# KiCad board pi_attenuator_panel.kicad_pcb (continued)
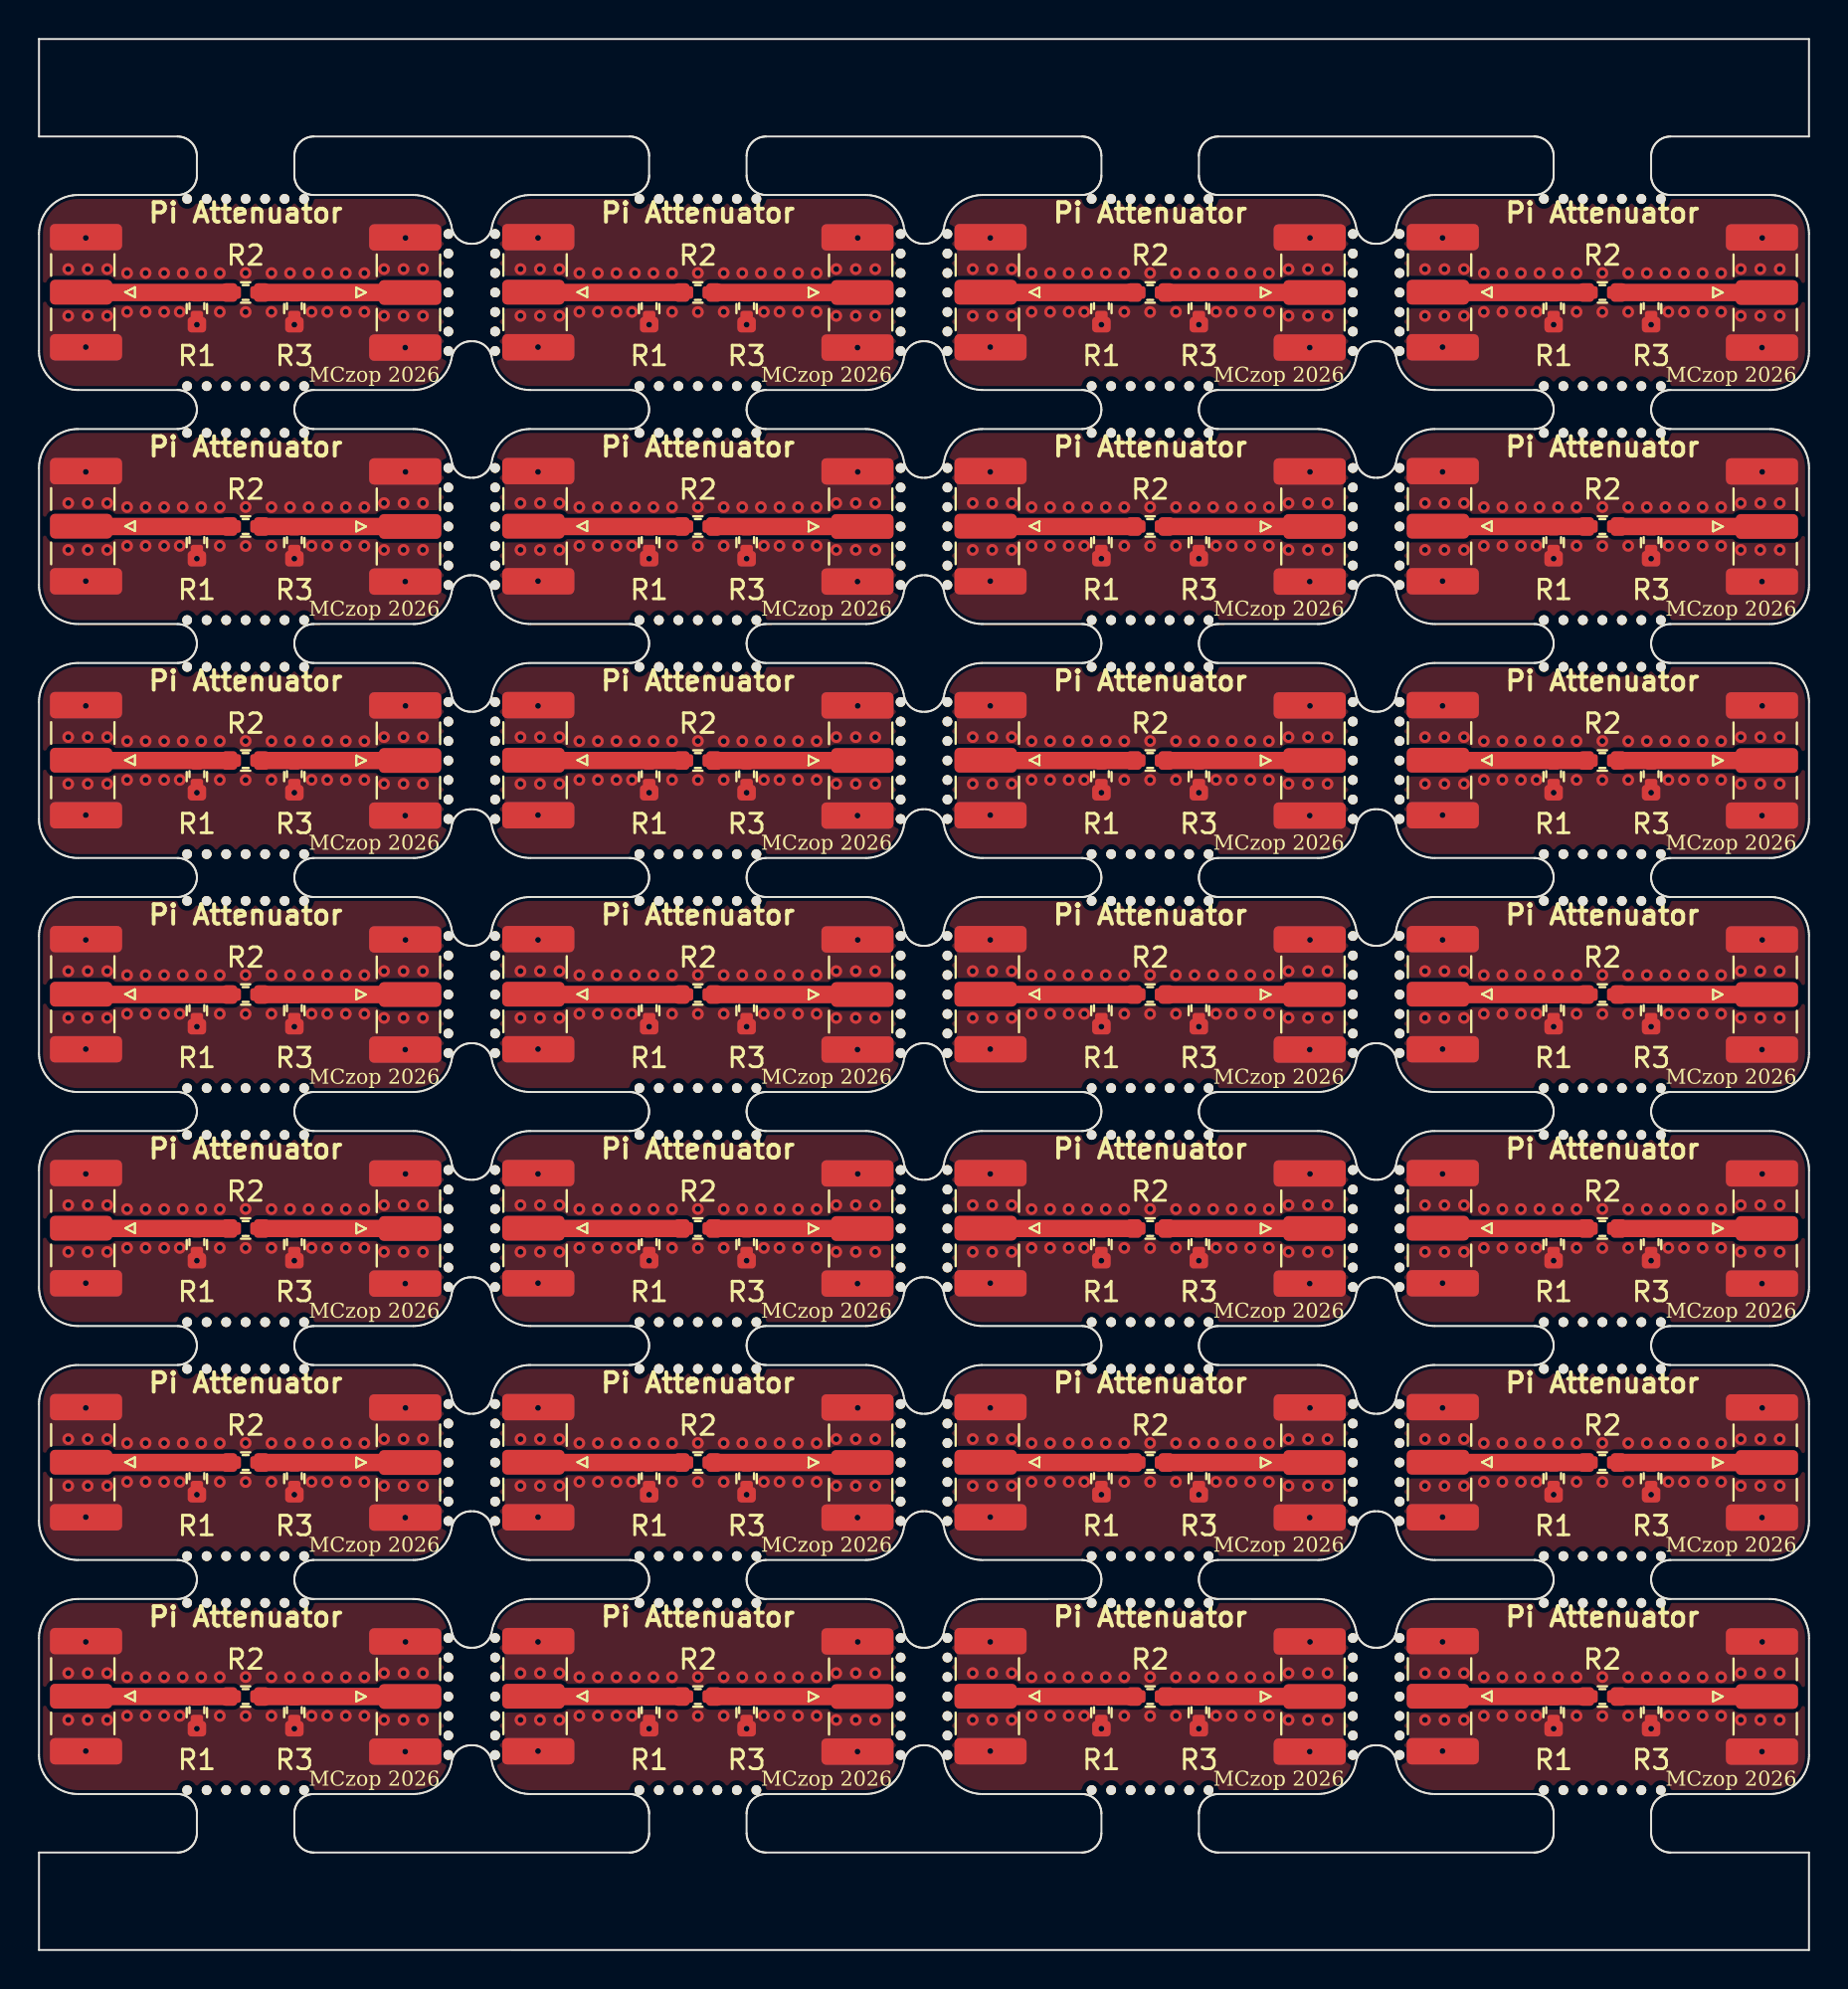
[diagram p0: board, top side]
## Routing (per net, layer and track width the routed paths; a pad name or vN(x,y) marks a point on that pad's centre or on a via; arc(x,y) is an arc through that point) (continued)
Board_3-Net-(J1-In): length 7.7
  Top w0.888: R2#7.2 71.72,85 71.7,85.02
Board_3-Net-(J2-In): length 7.7
  Top w0.888: R2#7.1 88.7,85
Board_4-GND:
  vias: v1(1.5,74.2) v1(1.5,71.8) v1(2.4,75.8) v1(2.4,70.2) v1(2.5,74.2) v1(2.5,71.8) v1(3.5,74.2) v1(3.5,71.8) v1(4.52,73.99) v1(4.52,72.01) v1(5.47,73.99) v1(5.47,72.01) v1(6.42,73.99) v1(6.42,72.01) v1(7.22,72.01) v1(7.37,73.99) v1(8.1,71.35) v1(8.32,73.99) v1(9.28,73.99) v1(9.28,72.01) v1(10.6,74) v1(10.6,72) v1(11.93,73.99) v1(11.93,72.01) v1(12.88,73.99) v1(13.1,71.35) v1(13.83,73.99) v1(13.98,72.01) v1(14.79,73.99) v1(14.79,72.01) v1(15.74,73.99) v1(15.74,72.01) v1(16.69,73.99) v1(16.69,72.01) v1(17.7,74.2) v1(17.7,71.8) v1(18.7,74.2) v1(18.7,71.8) v1(18.8,75.8) v1(18.79,70.17) v1(19.7,74.2) v1(19.7,71.8)
Board_4-Net-(J1-In): length 7.7
  Top w0.888: 2.1,73.02 2.12,73 R2#21.2
Board_4-Net-(J2-In): length 7.7
  Top w0.888: R2#21.1 19.1,73
Board_5-GND:
  vias: v1(24.7,74.2) v1(24.7,71.8) v1(25.6,75.8) v1(25.6,70.2) v1(25.7,74.2) v1(25.7,71.8) v1(26.7,74.2) v1(26.7,71.8) v1(27.72,73.99) v1(27.72,72.01) v1(28.67,73.99) v1(28.67,72.01) v1(29.62,73.99) v1(29.62,72.01) v1(30.42,72.01) v1(30.57,73.99) v1(31.3,71.35) v1(31.52,73.99) v1(32.47,73.99) v1(32.47,72.01) v1(33.8,74) v1(33.8,72) v1(35.12,73.99) v1(35.12,72.01) v1(36.08,73.99) v1(36.3,71.35) v1(37.03,73.99) v1(37.18,72.01) v1(37.99,73.99) v1(37.99,72.01) v1(38.94,73.99) v1(38.94,72.01) v1(39.89,73.99) v1(39.89,72.01) v1(40.9,74.2) v1(40.9,71.8) v1(41.9,74.2) v1(41.9,71.8) v1(42,75.8) v1(41.99,70.17) v1(42.9,74.2) v1(42.9,71.8)
Board_5-Net-(J1-In): length 7.7
  Top w0.888: R2#12.2 25.32,73 25.3,73.02
Board_5-Net-(J2-In): length 7.7
  Top w0.888: R2#12.1 42.3,73
Board_6-GND:
  vias: v1(47.9,74.2) v1(47.9,71.8) v1(48.8,75.8) v1(48.8,70.2) v1(48.9,74.2) v1(48.9,71.8) v1(49.9,74.2) v1(49.9,71.8) v1(50.92,73.99) v1(50.92,72.01) v1(51.87,73.99) v1(51.87,72.01) v1(52.82,73.99) v1(52.82,72.01) v1(53.62,72.01) v1(53.77,73.99) v1(54.5,71.35) v1(54.72,73.99) v1(55.68,73.99) v1(55.68,72.01) v1(57,74) v1(57,72) v1(58.33,73.99) v1(58.33,72.01) v1(59.28,73.99) v1(59.5,71.35) v1(60.23,73.99) v1(60.38,72.01) v1(61.19,73.99) v1(61.19,72.01) v1(62.14,73.99) v1(62.14,72.01) v1(63.09,73.99) v1(63.09,72.01) v1(64.1,74.2) v1(64.1,71.8) v1(65.1,74.2) v1(65.1,71.8) v1(65.2,75.8) v1(65.19,70.17) v1(66.1,74.2) v1(66.1,71.8)
Board_6-Net-(J1-In): length 7.7
  Top w0.888: R2#19.2 48.52,73 48.5,73.02
Board_6-Net-(J2-In): length 7.7
  Top w0.888: R2#19.1 65.5,73
Board_7-GND:
  vias: v1(71.1,74.2) v1(71.1,71.8) v1(72,75.8) v1(72,70.2) v1(72.1,74.2) v1(72.1,71.8) v1(73.1,74.2) v1(73.1,71.8) v1(74.12,73.99) v1(74.12,72.01) v1(75.07,73.99) v1(75.07,72.01) v1(76.02,73.99) v1(76.02,72.01) v1(76.82,72.01) v1(76.97,73.99) v1(77.7,71.35) v1(77.92,73.99) v1(78.88,73.99) v1(78.88,72.01) v1(80.2,74) v1(80.2,72) v1(81.53,73.99) v1(81.53,72.01) v1(82.48,73.99) v1(82.7,71.35) v1(83.43,73.99) v1(83.58,72.01) v1(84.39,73.99) v1(84.39,72.01) v1(85.34,73.99) v1(85.34,72.01) v1(86.29,73.99) v1(86.29,72.01) v1(87.3,74.2) v1(87.3,71.8) v1(88.3,74.2) v1(88.3,71.8) v1(88.4,75.8) v1(88.39,70.17) v1(89.3,74.2) v1(89.3,71.8)
Board_7-Net-(J1-In): length 7.7
  Top w0.888: 71.7,73.02 71.72,73 R2#24.2
Board_7-Net-(J2-In): length 7.7
  Top w0.888: R2#24.1 88.7,73
Board_8-GND:
  vias: v1(1.5,62.2) v1(1.5,59.8) v1(2.4,63.8) v1(2.4,58.2) v1(2.5,62.2) v1(2.5,59.8) v1(3.5,62.2) v1(3.5,59.8) v1(4.52,61.99) v1(4.52,60.01) v1(5.47,61.99) v1(5.47,60.01) v1(6.42,61.99) v1(6.42,60.01) v1(7.22,60.01) v1(7.37,61.99) v1(8.1,59.35) v1(8.32,61.99) v1(9.28,61.99) v1(9.28,60.01) v1(10.6,62) v1(10.6,60) v1(11.93,61.99) v1(11.93,60.01) v1(12.88,61.99) v1(13.1,59.35) v1(13.83,61.99) v1(13.98,60.01) v1(14.79,61.99) v1(14.79,60.01) v1(15.74,61.99) v1(15.74,60.01) v1(16.69,61.99) v1(16.69,60.01) v1(17.7,62.2) v1(17.7,59.8) v1(18.7,62.2) v1(18.7,59.8) v1(18.8,63.8) v1(18.79,58.17) v1(19.7,62.2) v1(19.7,59.8)
Board_8-Net-(J1-In): length 7.7
  Top w0.888: 2.1,61.02 2.12,61 R2#8.2
Board_8-Net-(J2-In): length 7.7
  Top w0.888: R2#8.1 19.1,61
Board_9-GND:
  vias: v1(24.7,62.2) v1(24.7,59.8) v1(25.6,63.8) v1(25.6,58.2) v1(25.7,62.2) v1(25.7,59.8) v1(26.7,62.2) v1(26.7,59.8) v1(27.72,61.99) v1(27.72,60.01) v1(28.67,61.99) v1(28.67,60.01) v1(29.62,61.99) v1(29.62,60.01) v1(30.42,60.01) v1(30.57,61.99) v1(31.3,59.35) v1(31.52,61.99) v1(32.47,61.99) v1(32.47,60.01) v1(33.8,62) v1(33.8,60) v1(35.12,61.99) v1(35.12,60.01) v1(36.08,61.99) v1(36.3,59.35) v1(37.03,61.99) v1(37.18,60.01) v1(37.99,61.99) v1(37.99,60.01) v1(38.94,61.99) v1(38.94,60.01) v1(39.89,61.99) v1(39.89,60.01) v1(40.9,62.2) v1(40.9,59.8) v1(41.9,62.2) v1(41.9,59.8) v1(42,63.8) v1(41.99,58.17) v1(42.9,62.2) v1(42.9,59.8)
Board_9-Net-(J1-In): length 7.7
  Top w0.888: 25.3,61.02 25.32,61 R2#23.2
Board_9-Net-(J2-In): length 7.7
  Top w0.888: R2#23.1 42.3,61
Board_10-GND:
  vias: v1(47.9,62.2) v1(47.9,59.8) v1(48.8,63.8) v1(48.8,58.2) v1(48.9,62.2) v1(48.9,59.8) v1(49.9,62.2) v1(49.9,59.8) v1(50.92,61.99) v1(50.92,60.01) v1(51.87,61.99) v1(51.87,60.01) v1(52.82,61.99) v1(52.82,60.01) v1(53.62,60.01) v1(53.77,61.99) v1(54.5,59.35) v1(54.72,61.99) v1(55.68,61.99) v1(55.68,60.01) v1(57,62) v1(57,60) v1(58.33,61.99) v1(58.33,60.01) v1(59.28,61.99) v1(59.5,59.35) v1(60.23,61.99) v1(60.38,60.01) v1(61.19,61.99) v1(61.19,60.01) v1(62.14,61.99) v1(62.14,60.01) v1(63.09,61.99) v1(63.09,60.01) v1(64.1,62.2) v1(64.1,59.8) v1(65.1,62.2) v1(65.1,59.8) v1(65.2,63.8) v1(65.19,58.17) v1(66.1,62.2) v1(66.1,59.8)
Board_10-Net-(J1-In): length 7.7
  Top w0.888: R2#11.2 48.52,61 48.5,61.02
Board_10-Net-(J2-In): length 7.7
  Top w0.888: R2#11.1 65.5,61
Board_11-GND:
  vias: v1(71.1,62.2) v1(71.1,59.8) v1(72,63.8) v1(72,58.2) v1(72.1,62.2) v1(72.1,59.8) v1(73.1,62.2) v1(73.1,59.8) v1(74.12,61.99) v1(74.12,60.01) v1(75.07,61.99) v1(75.07,60.01) v1(76.02,61.99) v1(76.02,60.01) v1(76.82,60.01) v1(76.97,61.99) v1(77.7,59.35) v1(77.92,61.99) v1(78.88,61.99) v1(78.88,60.01) v1(80.2,62) v1(80.2,60) v1(81.53,61.99) v1(81.53,60.01) v1(82.48,61.99) v1(82.7,59.35) v1(83.43,61.99) v1(83.58,60.01) v1(84.39,61.99) v1(84.39,60.01) v1(85.34,61.99) v1(85.34,60.01) v1(86.29,61.99) v1(86.29,60.01) v1(87.3,62.2) v1(87.3,59.8) v1(88.3,62.2) v1(88.3,59.8) v1(88.4,63.8) v1(88.39,58.17) v1(89.3,62.2) v1(89.3,59.8)
Board_11-Net-(J1-In): length 7.7
  Top w0.888: 71.7,61.02 71.72,61 R2#4.2
Board_11-Net-(J2-In): length 7.7
  Top w0.888: R2#4.1 88.7,61
Board_12-GND:
  vias: v1(1.5,50.2) v1(1.5,47.8) v1(2.4,51.8) v1(2.4,46.2) v1(2.5,50.2) v1(2.5,47.8) v1(3.5,50.2) v1(3.5,47.8) v1(4.52,49.99) v1(4.52,48.01) v1(5.47,49.99) v1(5.47,48.01) v1(6.42,49.99) v1(6.42,48.01) v1(7.22,48.01) v1(7.37,49.99) v1(8.1,47.35) v1(8.32,49.99) v1(9.28,49.99) v1(9.28,48.01) v1(10.6,50) v1(10.6,48) v1(11.93,49.99) v1(11.93,48.01) v1(12.88,49.99) v1(13.1,47.35) v1(13.83,49.99) v1(13.98,48.01) v1(14.79,49.99) v1(14.79,48.01) v1(15.74,49.99) v1(15.74,48.01) v1(16.69,49.99) v1(16.69,48.01) v1(17.7,50.2) v1(17.7,47.8) v1(18.7,50.2) v1(18.7,47.8) v1(18.8,51.8) v1(18.79,46.17) v1(19.7,50.2) v1(19.7,47.8)
Board_12-Net-(J1-In): length 7.7
  Top w0.888: R2#9.2 2.12,49 2.1,49.02
Board_12-Net-(J2-In): length 7.7
  Top w0.888: R2#9.1 19.1,49
Board_13-GND:
  vias: v1(24.7,50.2) v1(24.7,47.8) v1(25.6,51.8) v1(25.6,46.2) v1(25.7,50.2) v1(25.7,47.8) v1(26.7,50.2) v1(26.7,47.8) v1(27.72,49.99) v1(27.72,48.01) v1(28.67,49.99) v1(28.67,48.01) v1(29.62,49.99) v1(29.62,48.01) v1(30.42,48.01) v1(30.57,49.99) v1(31.3,47.35) v1(31.52,49.99) v1(32.47,49.99) v1(32.47,48.01) v1(33.8,50) v1(33.8,48) v1(35.12,49.99) v1(35.12,48.01) v1(36.08,49.99) v1(36.3,47.35) v1(37.03,49.99) v1(37.18,48.01) v1(37.99,49.99) v1(37.99,48.01) v1(38.94,49.99) v1(38.94,48.01) v1(39.89,49.99) v1(39.89,48.01) v1(40.9,50.2) v1(40.9,47.8) v1(41.9,50.2) v1(41.9,47.8) v1(42,51.8) v1(41.99,46.17) v1(42.9,50.2) v1(42.9,47.8)
Board_13-Net-(J1-In): length 7.7
  Top w0.888: R2.2 25.32,49 25.3,49.02
Board_13-Net-(J2-In): length 7.7
  Top w0.888: R2.1 42.3,49
Board_14-GND:
  vias: v1(47.9,50.2) v1(47.9,47.8) v1(48.8,51.8) v1(48.8,46.2) v1(48.9,50.2) v1(48.9,47.8) v1(49.9,50.2) v1(49.9,47.8) v1(50.92,49.99) v1(50.92,48.01) v1(51.87,49.99) v1(51.87,48.01) v1(52.82,49.99) v1(52.82,48.01) v1(53.62,48.01) v1(53.77,49.99) v1(54.5,47.35) v1(54.72,49.99) v1(55.68,49.99) v1(55.68,48.01) v1(57,50) v1(57,48) v1(58.33,49.99) v1(58.33,48.01) v1(59.28,49.99) v1(59.5,47.35) v1(60.23,49.99) v1(60.38,48.01) v1(61.19,49.99) v1(61.19,48.01) v1(62.14,49.99) v1(62.14,48.01) v1(63.09,49.99) v1(63.09,48.01) v1(64.1,50.2) v1(64.1,47.8) v1(65.1,50.2) v1(65.1,47.8) v1(65.2,51.8) v1(65.19,46.17) v1(66.1,50.2) v1(66.1,47.8)
Board_14-Net-(J1-In): length 7.7
  Top w0.888: R2#27.2 48.52,49 48.5,49.02
Board_14-Net-(J2-In): length 7.7
  Top w0.888: R2#27.1 65.5,49
Board_15-GND:
  vias: v1(71.1,50.2) v1(71.1,47.8) v1(72,51.8) v1(72,46.2) v1(72.1,50.2) v1(72.1,47.8) v1(73.1,50.2) v1(73.1,47.8) v1(74.12,49.99) v1(74.12,48.01) v1(75.07,49.99) v1(75.07,48.01) v1(76.02,49.99) v1(76.02,48.01) v1(76.82,48.01) v1(76.97,49.99) v1(77.7,47.35) v1(77.92,49.99) v1(78.88,49.99) v1(78.88,48.01) v1(80.2,50) v1(80.2,48) v1(81.53,49.99) v1(81.53,48.01) v1(82.48,49.99) v1(82.7,47.35) v1(83.43,49.99) v1(83.58,48.01) v1(84.39,49.99) v1(84.39,48.01) v1(85.34,49.99) v1(85.34,48.01) v1(86.29,49.99) v1(86.29,48.01) v1(87.3,50.2) v1(87.3,47.8) v1(88.3,50.2) v1(88.3,47.8) v1(88.4,51.8) v1(88.39,46.17) v1(89.3,50.2) v1(89.3,47.8)
Board_15-Net-(J1-In): length 7.7
  Top w0.888: R2#16.2 71.72,49 71.7,49.02
Board_15-Net-(J2-In): length 7.7
  Top w0.888: R2#16.1 88.7,49
Board_16-GND:
  vias: v1(1.5,38.2) v1(1.5,35.8) v1(2.4,39.8) v1(2.4,34.2) v1(2.5,38.2) v1(2.5,35.8) v1(3.5,38.2) v1(3.5,35.8) v1(4.52,37.99) v1(4.52,36.01) v1(5.47,37.99) v1(5.47,36.01) v1(6.42,37.99) v1(6.42,36.01) v1(7.22,36.01) v1(7.37,37.99) v1(8.1,35.35) v1(8.32,37.99) v1(9.28,37.99) v1(9.28,36.01) v1(10.6,38) v1(10.6,36) v1(11.93,37.99) v1(11.93,36.01) v1(12.88,37.99) v1(13.1,35.35) v1(13.83,37.99) v1(13.98,36.01) v1(14.79,37.99) v1(14.79,36.01) v1(15.74,37.99) v1(15.74,36.01) v1(16.69,37.99) v1(16.69,36.01) v1(17.7,38.2) v1(17.7,35.8) v1(18.7,38.2) v1(18.7,35.8) v1(18.8,39.8) v1(18.79,34.17) v1(19.7,38.2) v1(19.7,35.8)
Board_16-Net-(J1-In): length 7.7
  Top w0.888: R2#10.2 2.12,37 2.1,37.02
Board_16-Net-(J2-In): length 7.7
  Top w0.888: R2#10.1 19.1,37
Board_17-GND:
  vias: v1(24.7,38.2) v1(24.7,35.8) v1(25.6,39.8) v1(25.6,34.2) v1(25.7,38.2) v1(25.7,35.8) v1(26.7,38.2) v1(26.7,35.8) v1(27.72,37.99) v1(27.72,36.01) v1(28.67,37.99) v1(28.67,36.01) v1(29.62,37.99) v1(29.62,36.01) v1(30.42,36.01) v1(30.57,37.99) v1(31.3,35.35) v1(31.52,37.99) v1(32.47,37.99) v1(32.47,36.01) v1(33.8,38) v1(33.8,36) v1(35.12,37.99) v1(35.12,36.01) v1(36.08,37.99) v1(36.3,35.35) v1(37.03,37.99) v1(37.18,36.01) v1(37.99,37.99) v1(37.99,36.01) v1(38.94,37.99) v1(38.94,36.01) v1(39.89,37.99) v1(39.89,36.01) v1(40.9,38.2) v1(40.9,35.8) v1(41.9,38.2) v1(41.9,35.8) v1(42,39.8) v1(41.99,34.17) v1(42.9,38.2) v1(42.9,35.8)
Board_17-Net-(J1-In): length 7.7
  Top w0.888: 25.3,37.02 25.32,37 R2#20.2
Board_17-Net-(J2-In): length 7.7
  Top w0.888: R2#20.1 42.3,37
Board_18-GND:
  vias: v1(47.9,38.2) v1(47.9,35.8) v1(48.8,39.8) v1(48.8,34.2) v1(48.9,38.2) v1(48.9,35.8) v1(49.9,38.2) v1(49.9,35.8) v1(50.92,37.99) v1(50.92,36.01) v1(51.87,37.99) v1(51.87,36.01) v1(52.82,37.99) v1(52.82,36.01) v1(53.62,36.01) v1(53.77,37.99) v1(54.5,35.35) v1(54.72,37.99) v1(55.68,37.99) v1(55.68,36.01) v1(57,38) v1(57,36) v1(58.33,37.99) v1(58.33,36.01) v1(59.28,37.99) v1(59.5,35.35) v1(60.23,37.99) v1(60.38,36.01) v1(61.19,37.99) v1(61.19,36.01) v1(62.14,37.99) v1(62.14,36.01) v1(63.09,37.99) v1(63.09,36.01) v1(64.1,38.2) v1(64.1,35.8) v1(65.1,38.2) v1(65.1,35.8) v1(65.2,39.8) v1(65.19,34.17) v1(66.1,38.2) v1(66.1,35.8)
Board_18-Net-(J1-In): length 7.7
  Top w0.888: 48.5,37.02 48.52,37 R2#26.2
Board_18-Net-(J2-In): length 7.7
  Top w0.888: R2#26.1 65.5,37
Board_19-GND:
  vias: v1(71.1,38.2) v1(71.1,35.8) v1(72,39.8) v1(72,34.2) v1(72.1,38.2) v1(72.1,35.8) v1(73.1,38.2) v1(73.1,35.8) v1(74.12,37.99) v1(74.12,36.01) v1(75.07,37.99) v1(75.07,36.01) v1(76.02,37.99) v1(76.02,36.01) v1(76.82,36.01) v1(76.97,37.99) v1(77.7,35.35) v1(77.92,37.99) v1(78.88,37.99) v1(78.88,36.01) v1(80.2,38) v1(80.2,36) v1(81.53,37.99) v1(81.53,36.01) v1(82.48,37.99) v1(82.7,35.35) v1(83.43,37.99) v1(83.58,36.01) v1(84.39,37.99) v1(84.39,36.01) v1(85.34,37.99) v1(85.34,36.01) v1(86.29,37.99) v1(86.29,36.01) v1(87.3,38.2) v1(87.3,35.8) v1(88.3,38.2) v1(88.3,35.8) v1(88.4,39.8) v1(88.39,34.17) v1(89.3,38.2) v1(89.3,35.8)
Board_19-Net-(J1-In): length 7.7
  Top w0.888: R2#17.2 71.72,37 71.7,37.02
Board_19-Net-(J2-In): length 7.7
  Top w0.888: R2#17.1 88.7,37
Board_20-GND:
  vias: v1(1.5,26.2) v1(1.5,23.8) v1(2.4,27.8) v1(2.4,22.2) v1(2.5,26.2) v1(2.5,23.8) v1(3.5,26.2) v1(3.5,23.8) v1(4.52,25.99) v1(4.52,24.01) v1(5.47,25.99) v1(5.47,24.01) v1(6.42,25.99) v1(6.42,24.01) v1(7.22,24.01) v1(7.37,25.99) v1(8.1,23.35) v1(8.32,25.99) v1(9.28,25.99) v1(9.28,24.01) v1(10.6,26) v1(10.6,24) v1(11.93,25.99) v1(11.93,24.01) v1(12.88,25.99) v1(13.1,23.35) v1(13.83,25.99) v1(13.98,24.01) v1(14.79,25.99) v1(14.79,24.01) v1(15.74,25.99) v1(15.74,24.01) v1(16.69,25.99) v1(16.69,24.01) v1(17.7,26.2) v1(17.7,23.8) v1(18.7,26.2) v1(18.7,23.8) v1(18.8,27.8) v1(18.79,22.17) v1(19.7,26.2) v1(19.7,23.8)
Board_20-Net-(J1-In): length 7.7
  Top w0.888: R2#28.2 2.12,25 2.1,25.02
Board_20-Net-(J2-In): length 7.7
  Top w0.888: R2#28.1 19.1,25
Board_21-GND:
  vias: v1(24.7,26.2) v1(24.7,23.8) v1(25.6,27.8) v1(25.6,22.2) v1(25.7,26.2) v1(25.7,23.8) v1(26.7,26.2) v1(26.7,23.8) v1(27.72,25.99) v1(27.72,24.01) v1(28.67,25.99) v1(28.67,24.01) v1(29.62,25.99) v1(29.62,24.01) v1(30.42,24.01) v1(30.57,25.99) v1(31.3,23.35) v1(31.52,25.99) v1(32.47,25.99) v1(32.47,24.01) v1(33.8,26) v1(33.8,24) v1(35.12,25.99) v1(35.12,24.01) v1(36.08,25.99) v1(36.3,23.35) v1(37.03,25.99) v1(37.18,24.01) v1(37.99,25.99) v1(37.99,24.01) v1(38.94,25.99) v1(38.94,24.01) v1(39.89,25.99) v1(39.89,24.01) v1(40.9,26.2) v1(40.9,23.8) v1(41.9,26.2) v1(41.9,23.8) v1(42,27.8) v1(41.99,22.17) v1(42.9,26.2) v1(42.9,23.8)
Board_21-Net-(J1-In): length 7.7
  Top w0.888: 25.3,25.02 25.32,25 R2#18.2
Board_21-Net-(J2-In): length 7.7
  Top w0.888: R2#18.1 42.3,25
Board_22-GND:
  vias: v1(47.9,26.2) v1(47.9,23.8) v1(48.8,27.8) v1(48.8,22.2) v1(48.9,26.2) v1(48.9,23.8) v1(49.9,26.2) v1(49.9,23.8) v1(50.92,25.99) v1(50.92,24.01) v1(51.87,25.99) v1(51.87,24.01) v1(52.82,25.99) v1(52.82,24.01) v1(53.62,24.01) v1(53.77,25.99) v1(54.5,23.35) v1(54.72,25.99) v1(55.68,25.99) v1(55.68,24.01) v1(57,26) v1(57,24) v1(58.33,25.99) v1(58.33,24.01) v1(59.28,25.99) v1(59.5,23.35) v1(60.23,25.99) v1(60.38,24.01) v1(61.19,25.99) v1(61.19,24.01) v1(62.14,25.99) v1(62.14,24.01) v1(63.09,25.99) v1(63.09,24.01) v1(64.1,26.2) v1(64.1,23.8) v1(65.1,26.2) v1(65.1,23.8) v1(65.2,27.8) v1(65.19,22.17) v1(66.1,26.2) v1(66.1,23.8)
Board_22-Net-(J1-In): length 7.7
  Top w0.888: 48.5,25.02 48.52,25 R2#2.2
Board_22-Net-(J2-In): length 7.7
  Top w0.888: R2#2.1 65.5,25
Board_23-GND:
  vias: v1(71.1,26.2) v1(71.1,23.8) v1(72,27.8) v1(72,22.2) v1(72.1,26.2) v1(72.1,23.8) v1(73.1,26.2) v1(73.1,23.8) v1(74.12,25.99) v1(74.12,24.01) v1(75.07,25.99) v1(75.07,24.01) v1(76.02,25.99) v1(76.02,24.01) v1(76.82,24.01) v1(76.97,25.99) v1(77.7,23.35) v1(77.92,25.99) v1(78.88,25.99) v1(78.88,24.01) v1(80.2,26) v1(80.2,24) v1(81.53,25.99) v1(81.53,24.01) v1(82.48,25.99) v1(82.7,23.35) v1(83.43,25.99) v1(83.58,24.01) v1(84.39,25.99) v1(84.39,24.01) v1(85.34,25.99) v1(85.34,24.01) v1(86.29,25.99) v1(86.29,24.01) v1(87.3,26.2) v1(87.3,23.8) v1(88.3,26.2) v1(88.3,23.8) v1(88.4,27.8) v1(88.39,22.17) v1(89.3,26.2) v1(89.3,23.8)
Board_23-Net-(J1-In): length 7.7
  Top w0.888: R2#5.2 71.72,25 71.7,25.02
Board_23-Net-(J2-In): length 7.7
  Top w0.888: R2#5.1 88.7,25
Board_24-GND:
  vias: v1(1.5,14.2) v1(1.5,11.8) v1(2.4,15.8) v1(2.4,10.2) v1(2.5,14.2) v1(2.5,11.8) v1(3.5,14.2) v1(3.5,11.8) v1(4.52,13.99) v1(4.52,12.01) v1(5.47,13.99) v1(5.47,12.01) v1(6.42,13.99) v1(6.42,12.01) v1(7.22,12.01) v1(7.37,13.99) v1(8.1,11.35) v1(8.32,13.99) v1(9.28,13.99) v1(9.28,12.01) v1(10.6,14) v1(10.6,12) v1(11.93,13.99) v1(11.93,12.01) v1(12.88,13.99) v1(13.1,11.35) v1(13.83,13.99) v1(13.98,12.01) v1(14.79,13.99) v1(14.79,12.01) v1(15.74,13.99) v1(15.74,12.01) v1(16.69,13.99) v1(16.69,12.01) v1(17.7,14.2) v1(17.7,11.8) v1(18.7,14.2) v1(18.7,11.8) v1(18.8,15.8) v1(18.79,10.17) v1(19.7,14.2) v1(19.7,11.8)
Board_24-Net-(J1-In): length 7.7
  Top w0.888: R2#25.2 2.12,13 2.1,13.02
Board_24-Net-(J2-In): length 7.7
  Top w0.888: R2#25.1 19.1,13
Board_25-GND:
  vias: v1(24.7,14.2) v1(24.7,11.8) v1(25.6,15.8) v1(25.6,10.2) v1(25.7,14.2) v1(25.7,11.8) v1(26.7,14.2) v1(26.7,11.8) v1(27.72,13.99) v1(27.72,12.01) v1(28.67,13.99) v1(28.67,12.01) v1(29.62,13.99) v1(29.62,12.01) v1(30.42,12.01) v1(30.57,13.99) v1(31.3,11.35) v1(31.52,13.99) v1(32.47,13.99) v1(32.47,12.01) v1(33.8,14) v1(33.8,12) v1(35.12,13.99) v1(35.12,12.01) v1(36.08,13.99) v1(36.3,11.35) v1(37.03,13.99) v1(37.18,12.01) v1(37.99,13.99) v1(37.99,12.01) v1(38.94,13.99) v1(38.94,12.01) v1(39.89,13.99) v1(39.89,12.01) v1(40.9,14.2) v1(40.9,11.8) v1(41.9,14.2) v1(41.9,11.8) v1(42,15.8) v1(41.99,10.17) v1(42.9,14.2) v1(42.9,11.8)
Board_25-Net-(J1-In): length 7.7
  Top w0.888: R2#22.2 25.32,13 25.3,13.02
Board_25-Net-(J2-In): length 7.7
  Top w0.888: R2#22.1 42.3,13
Board_26-GND:
  vias: v1(47.9,14.2) v1(47.9,11.8) v1(48.8,15.8) v1(48.8,10.2) v1(48.9,14.2) v1(48.9,11.8) v1(49.9,14.2) v1(49.9,11.8) v1(50.92,13.99) v1(50.92,12.01) v1(51.87,13.99) v1(51.87,12.01) v1(52.82,13.99) v1(52.82,12.01) v1(53.62,12.01) v1(53.77,13.99) v1(54.5,11.35) v1(54.72,13.99) v1(55.68,13.99) v1(55.68,12.01) v1(57,14) v1(57,12) v1(58.33,13.99) v1(58.33,12.01) v1(59.28,13.99) v1(59.5,11.35) v1(60.23,13.99) v1(60.38,12.01) v1(61.19,13.99) v1(61.19,12.01) v1(62.14,13.99) v1(62.14,12.01) v1(63.09,13.99) v1(63.09,12.01) v1(64.1,14.2) v1(64.1,11.8) v1(65.1,14.2) v1(65.1,11.8) v1(65.2,15.8) v1(65.19,10.17) v1(66.1,14.2) v1(66.1,11.8)
Board_26-Net-(J1-In): length 7.7
  Top w0.888: R2#3.2 48.52,13 48.5,13.02
Board_26-Net-(J2-In): length 7.7
  Top w0.888: R2#3.1 65.5,13
Board_27-GND:
  vias: v1(71.1,14.2) v1(71.1,11.8) v1(72,15.8) v1(72,10.2) v1(72.1,14.2) v1(72.1,11.8) v1(73.1,14.2) v1(73.1,11.8) v1(74.12,13.99) v1(74.12,12.01) v1(75.07,13.99) v1(75.07,12.01) v1(76.02,13.99) v1(76.02,12.01) v1(76.82,12.01) v1(76.97,13.99) v1(77.7,11.35) v1(77.92,13.99) v1(78.88,13.99) v1(78.88,12.01) v1(80.2,14) v1(80.2,12) v1(81.53,13.99) v1(81.53,12.01) v1(82.48,13.99) v1(82.7,11.35) v1(83.43,13.99) v1(83.58,12.01) v1(84.39,13.99) v1(84.39,12.01) v1(85.34,13.99) v1(85.34,12.01) v1(86.29,13.99) v1(86.29,12.01) v1(87.3,14.2) v1(87.3,11.8) v1(88.3,14.2) v1(88.3,11.8) v1(88.4,15.8) v1(88.39,10.17) v1(89.3,14.2) v1(89.3,11.8)
Board_27-Net-(J1-In): length 7.7
  Top w0.888: 71.7,13.02 71.72,13 R2#6.2
Board_27-Net-(J2-In): length 7.7
  Top w0.888: R2#6.1 88.7,13

## Copper pours and planes (outline as drawn; the poured copper is in the pictures)
Board_0-GND on Top, Bottom: outline of 128 points within 0,80 21.2,90
Board_1-GND on Top, Bottom: outline of 128 points within 23.2,80 44.4,90
Board_2-GND on Top, Bottom: outline of 128 points within 46.4,80 67.6,90
Board_3-GND on Top, Bottom: outline of 128 points within 69.6,80 90.8,90
Board_4-GND on Top, Bottom: outline of 128 points within 0,68 21.2,78
Board_5-GND on Top, Bottom: outline of 128 points within 23.2,68 44.4,78
Board_6-GND on Top, Bottom: outline of 128 points within 46.4,68 67.6,78
Board_7-GND on Top, Bottom: outline of 128 points within 69.6,68 90.8,78
Board_8-GND on Top, Bottom: outline of 128 points within 0,56 21.2,66
Board_9-GND on Top, Bottom: outline of 128 points within 23.2,56 44.4,66
Board_10-GND on Top, Bottom: outline of 128 points within 46.4,56 67.6,66
Board_11-GND on Top, Bottom: outline of 128 points within 69.6,56 90.8,66
Board_12-GND on Top, Bottom: outline of 128 points within 0,44 21.2,54
Board_13-GND on Top, Bottom: outline of 128 points within 23.2,44 44.4,54
Board_14-GND on Top, Bottom: outline of 128 points within 46.4,44 67.6,54
Board_15-GND on Top, Bottom: outline of 128 points within 69.6,44 90.8,54
Board_16-GND on Top, Bottom: outline of 128 points within 0,32 21.2,42
Board_17-GND on Top, Bottom: outline of 128 points within 23.2,32 44.4,42
Board_18-GND on Top, Bottom: outline of 128 points within 46.4,32 67.6,42
Board_19-GND on Top, Bottom: outline of 128 points within 69.6,32 90.8,42
Board_20-GND on Top, Bottom: outline of 128 points within 0,20 21.2,30
Board_21-GND on Top, Bottom: outline of 128 points within 23.2,20 44.4,30
Board_22-GND on Top, Bottom: outline of 128 points within 46.4,20 67.6,30
Board_23-GND on Top, Bottom: outline of 128 points within 69.6,20 90.8,30
Board_24-GND on Top, Bottom: outline of 128 points within 0,8 21.2,18
Board_25-GND on Top, Bottom: outline of 128 points within 23.2,8 44.4,18
Board_26-GND on Top, Bottom: outline of 128 points within 46.4,8 67.6,18
Board_27-GND on Top, Bottom: outline of 128 points within 69.6,8 90.8,18

## Text on the board
F.Silkscreen: Pi Attenuator | MCzop 2026
